# KiCad board BsidesKC-2022-Safe-Badge.kicad_pcb
title: BSidesKC2022; date: 2022-08-16; rev: 0-c; company: BadgePirates; note: Art: networkgeek; note: Schematic: FG
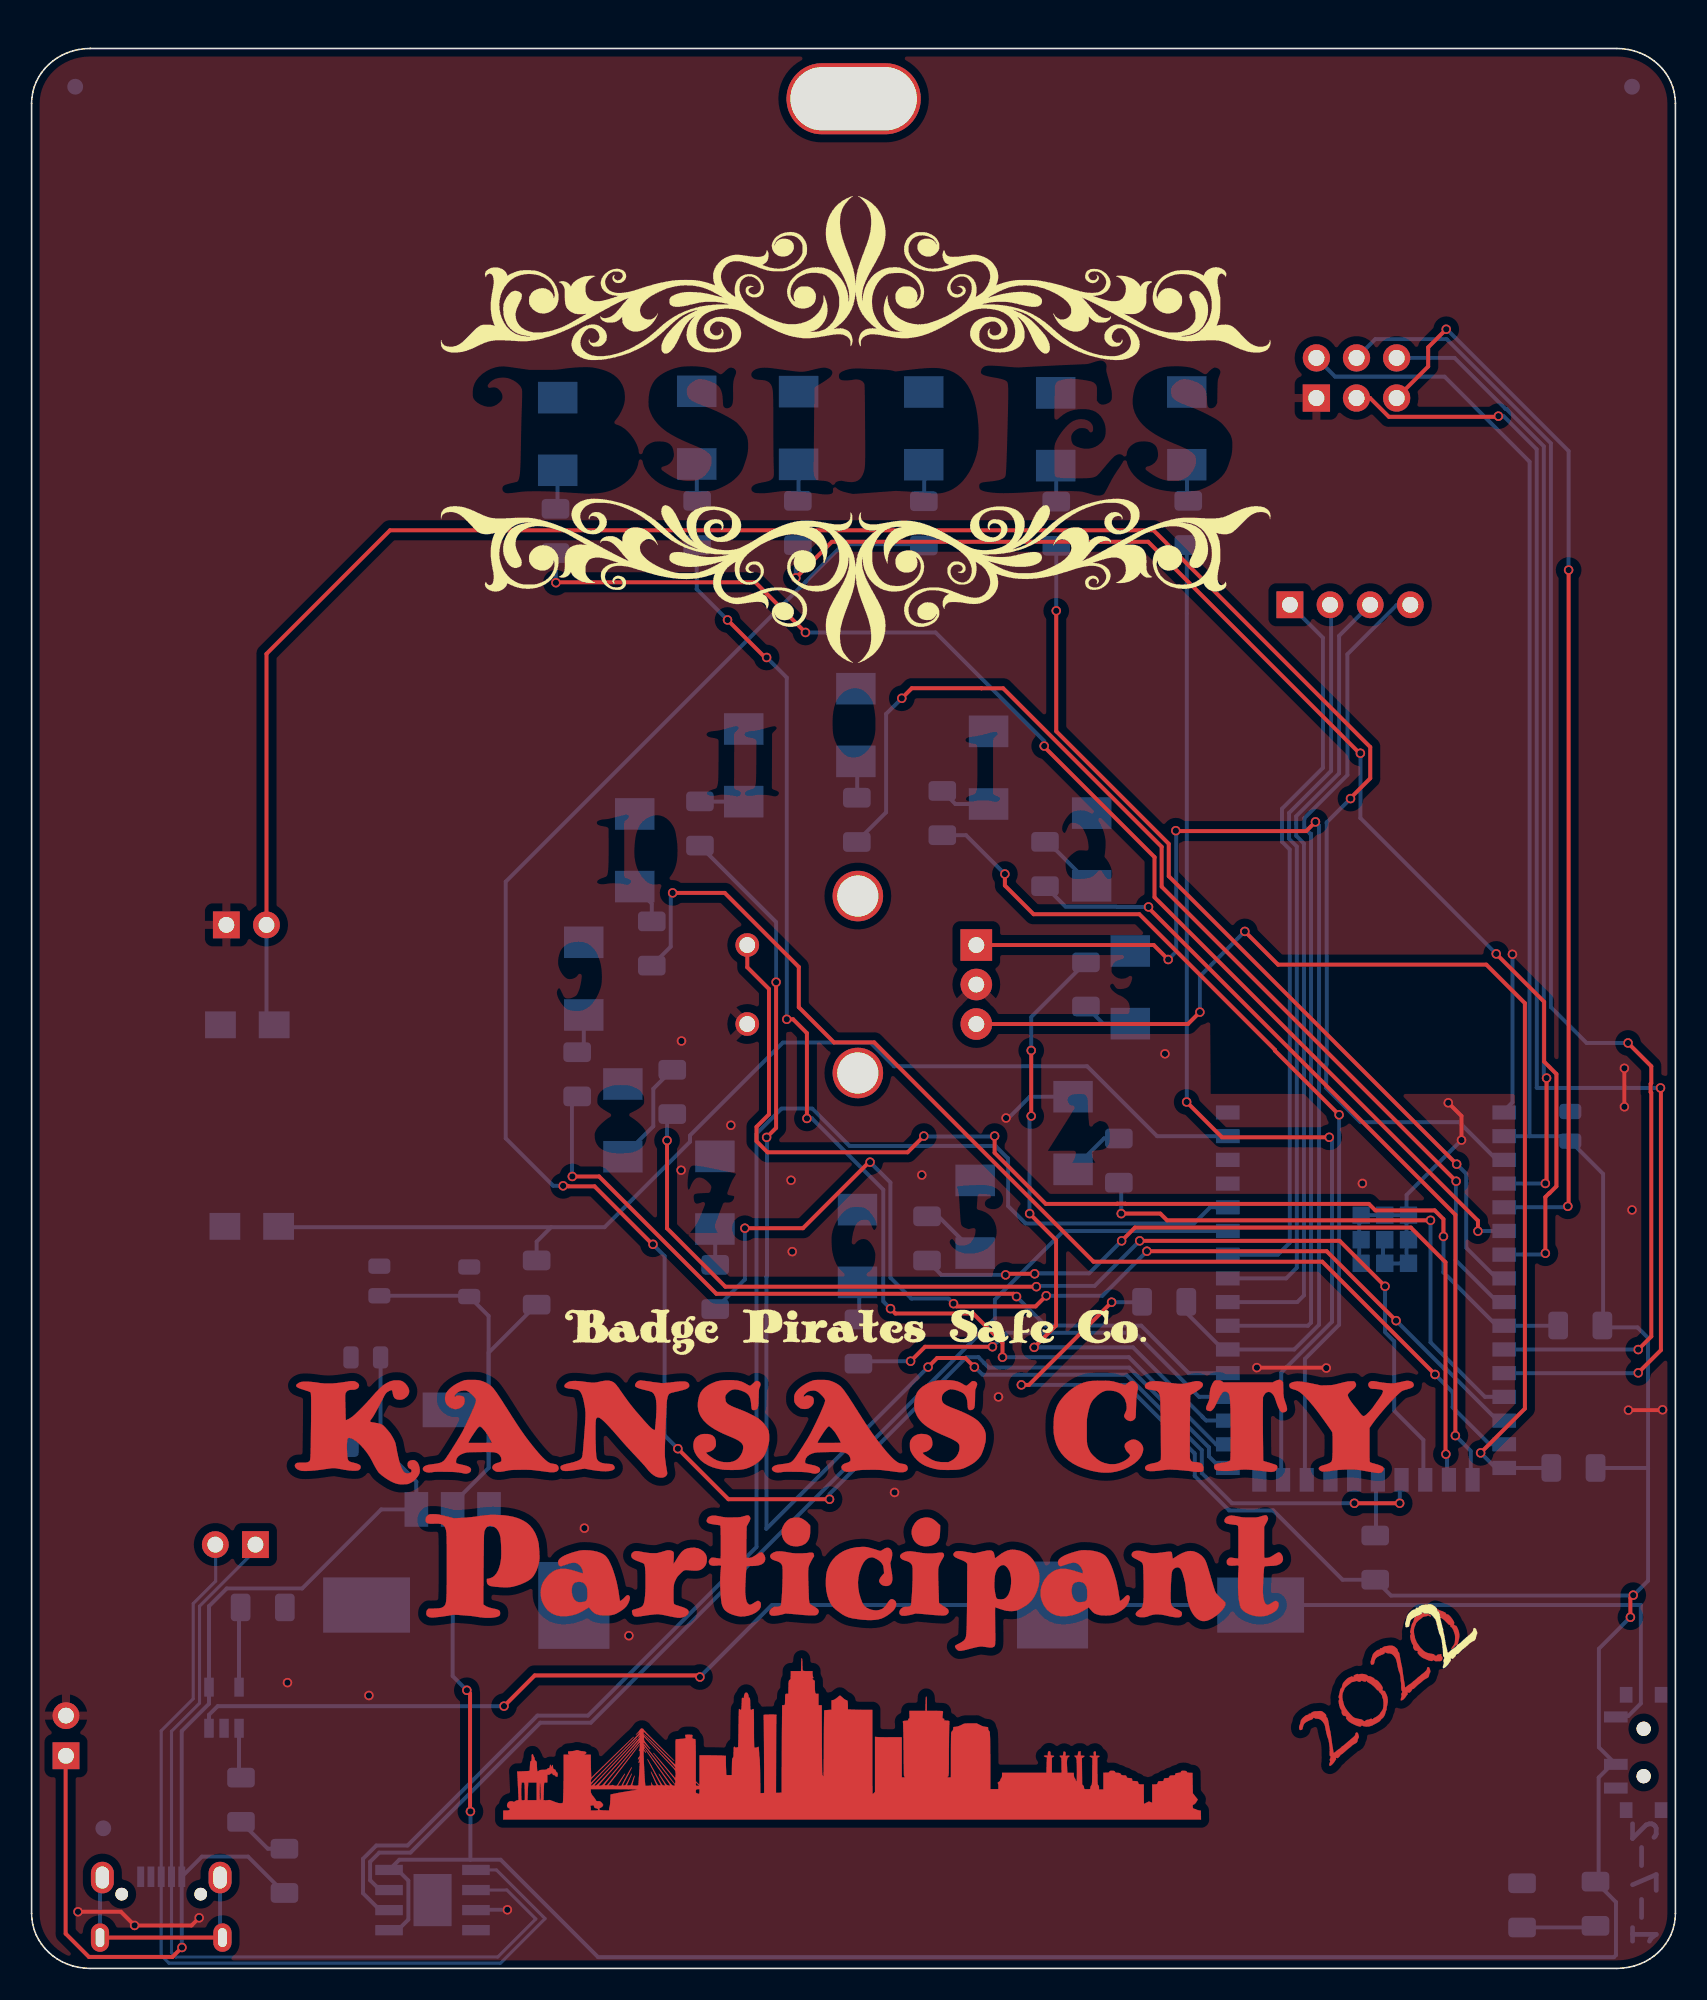
[diagram p0: board, top side]
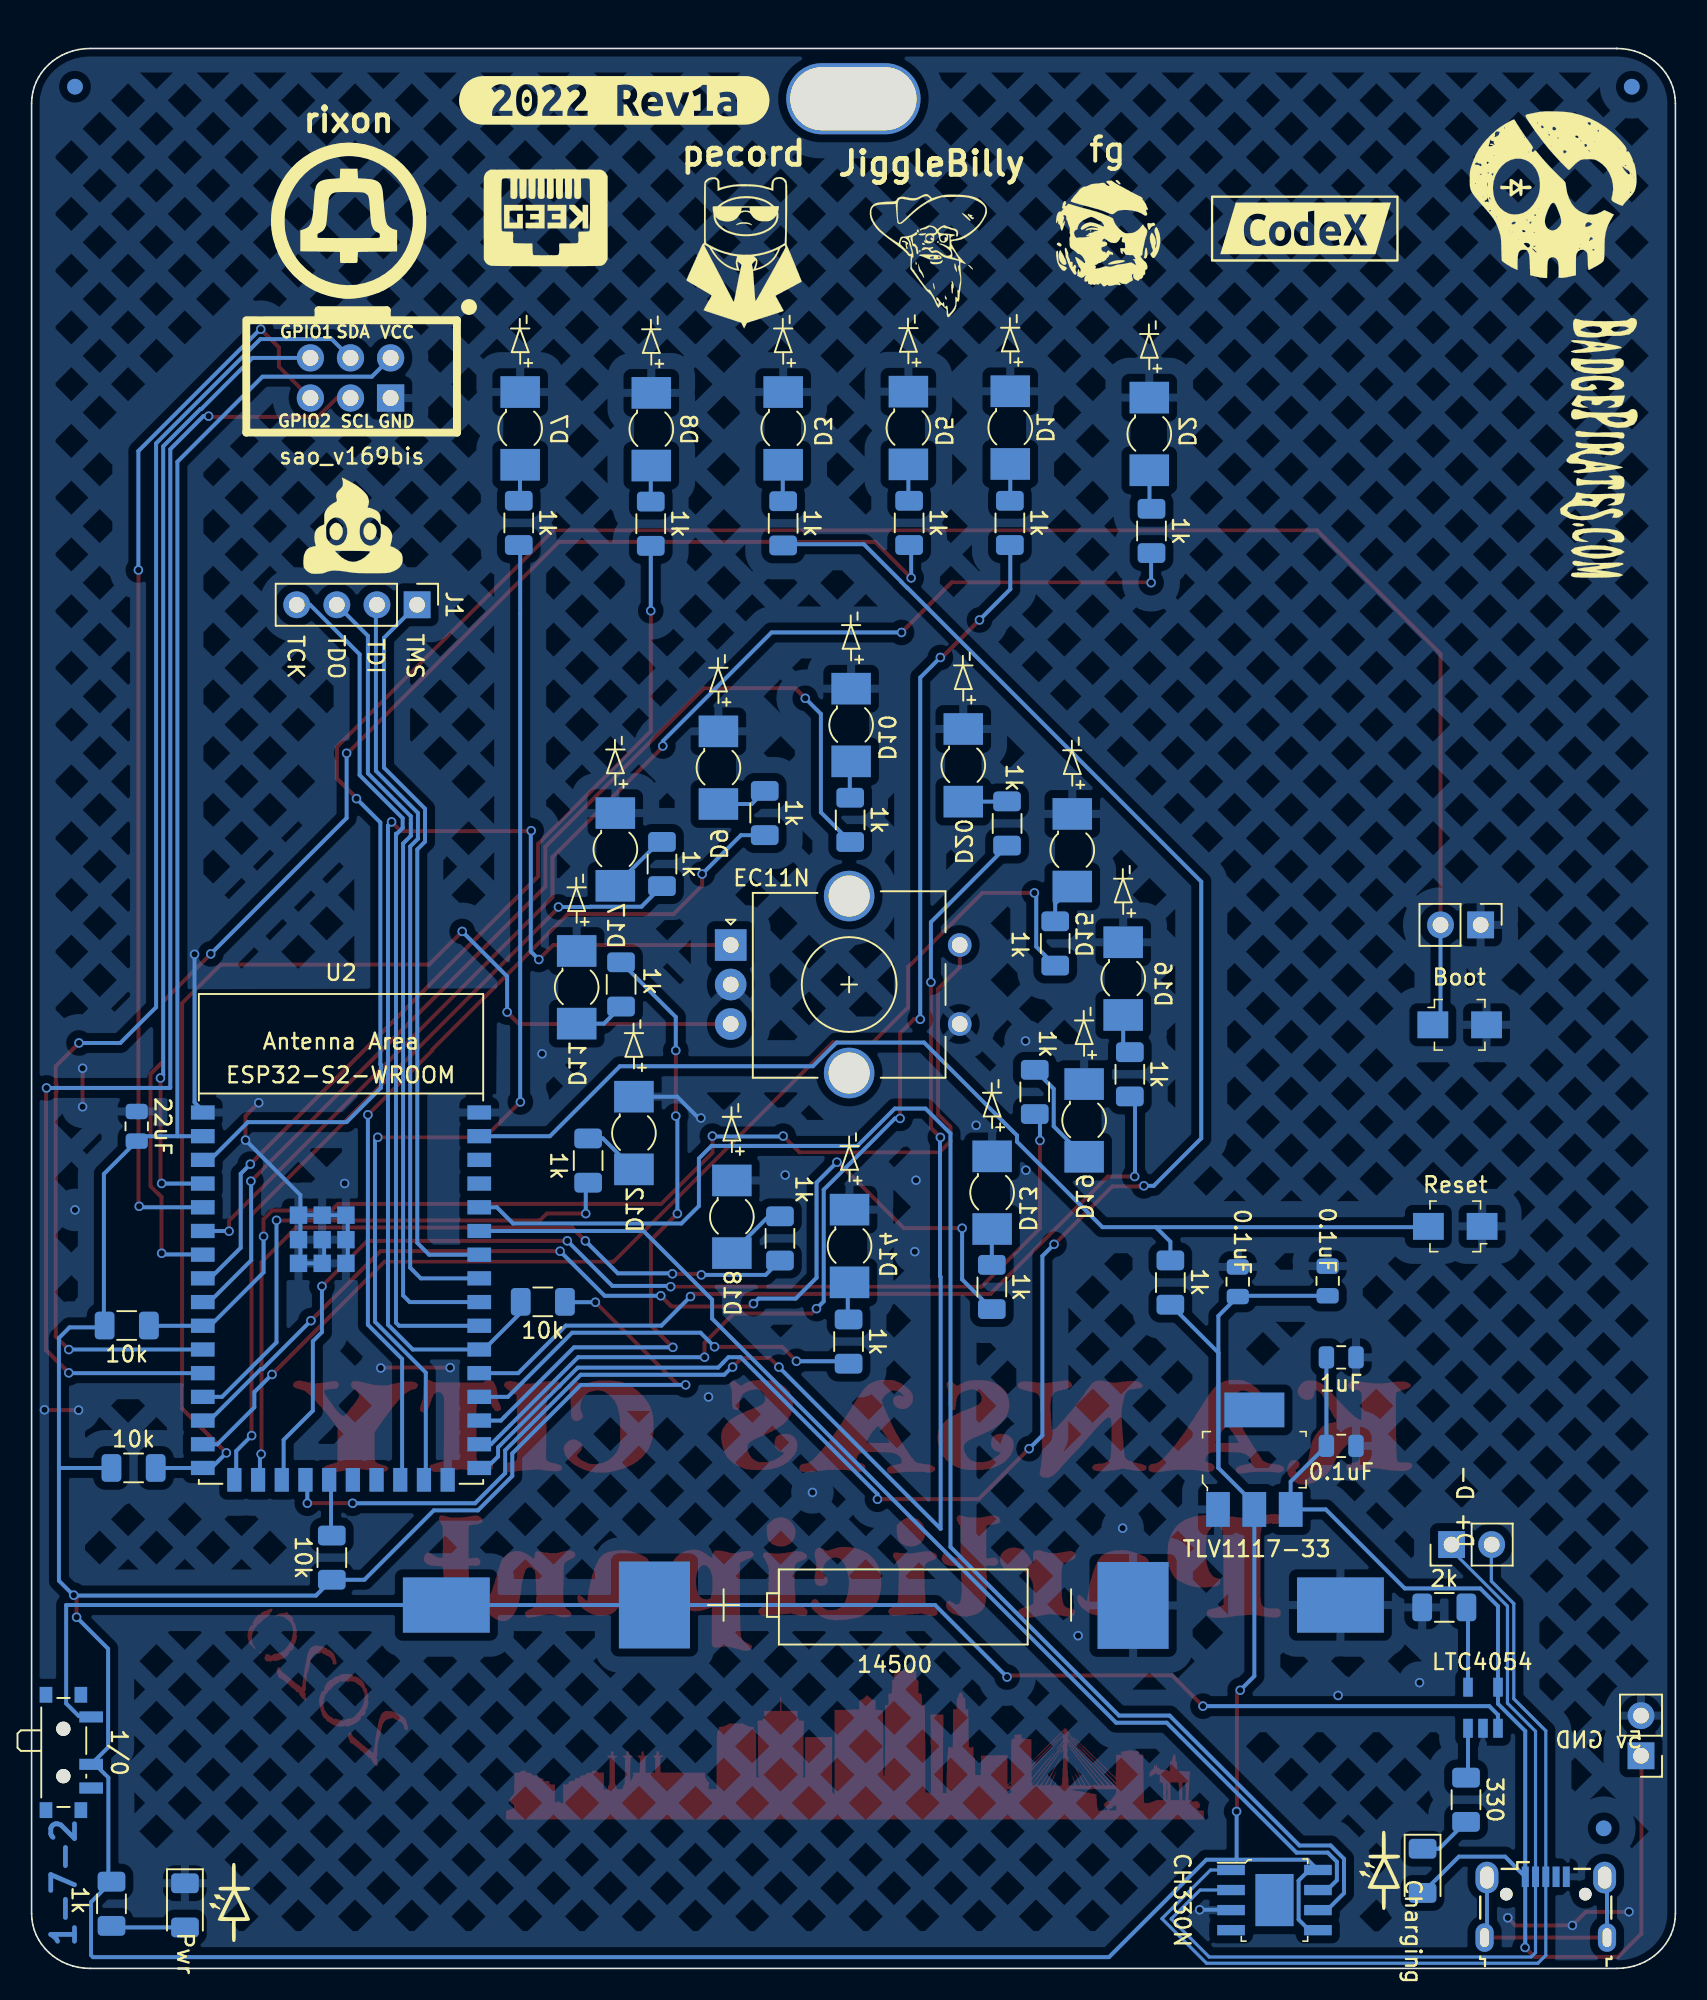
[diagram p1: board, bottom side, seen from below]

Outline 104.06 x 121.52 mm; copper layers: Top, Bottom. Coordinates in mm from the lower left corner of the outline.
Outline path: 0,118.05 0.02,118.4 0.07,118.75 0.17,119.08 0.29,119.4 0.45,119.71 0.63,119.99 0.84,120.26 1.08,120.51 1.35,120.73 1.63,120.93 1.94,121.1 2.26,121.25 2.6,121.37 2.96,121.45 3.32,121.51 3.7,121.52 100.36,121.52 100.74,121.51 101.1,121.45 101.46,121.37 101.8,121.25 102.12,121.1 102.43,120.93 102.71,120.73 102.98,120.51 103.22,120.26 103.43,119.99 103.61,119.71 103.77,119.4 103.89,119.08 103.99,118.75 104.04,118.4 104.06,118.05 104.06,3.48 104.04,3.12 103.99,2.77 103.89,2.44 103.77,2.12 103.61,1.82 103.43,1.53 103.22,1.26 102.98,1.02 102.71,0.79 102.43,0.59 102.12,0.42 101.8,0.27 101.46,0.16 101.1,0.07 100.74,0.02 100.36,0 3.7,0 3.32,0.02 2.96,0.07 2.6,0.16 2.26,0.27 1.94,0.42 1.63,0.59 1.35,0.79 1.08,1.02 0.84,1.26 0.63,1.53 0.45,1.82 0.29,2.12 0.17,2.44 0.07,2.77 0.02,3.12 0,3.48 0,118.05

## Placement (name value [footprint] x y rotation side)
1/0  SW_SPDT  [SW_SPDT_PCM12]  101.72 13.67 270 bottom
14500  Battery  [AA]  49.51 20 180 bottom
C1  1uF  [C_0805_2012Metric]  21.16 38.67 180 bottom
C2  22uF  [C_0805_2012Metric]  97.41 53.3 90 bottom
C3  0.1uF  [C_0805_2012Metric]  27.7 43.46 90 bottom
C4  0.1uF  [C_0805_2012Metric]  22.01 43.51 90 bottom
C5  0.1uF  [C_0805_2012Metric]  21.16 33.07 180 bottom
D1  LED  [LED_Osram_Lx_P47F_D2mm_ReverseMount_Proper_Mask Only]  42.11 97.52 90 top
D2  LED  [LED_Osram_Lx_P47F_D2mm_ReverseMount_Proper_Mask Only]  33.31 97.12 90 top
D3  LED  [LED_Osram_Lx_P47F_D2mm_ReverseMount_Proper_Mask Only]  56.48 97.47 90 top
D4  Charging  [LED_1206_3216Metric]  16.01 6.17 270 bottom
D5  LED  [LED_Osram_Lx_P47F_D2mm_ReverseMount_Proper_Mask Only]  48.56 97.5 90 top
D6  Pwr  [LED_1206_3216Metric]  94.35 3.99 270 bottom
D7  LED  [LED_Osram_Lx_P47F_D2mm_ReverseMount_Proper_Mask Only]  73.13 97.47 90 top
D8  LED  [LED_Osram_Lx_P47F_D2mm_ReverseMount_Proper_Mask Only]  64.83 97.42 90 top
D9  LED  [LED_Osram_Lx_P47F_D2mm_ReverseMount_Proper_Mask Only]  60.58 76 90 top
D10  LED  [LED_Osram_Lx_P47F_D2mm_ReverseMount_Proper_Mask Only]  52.18 78.7 90 top
D11  LED  [LED_Osram_Lx_P47F_D2mm_ReverseMount_Proper_Mask Only]  69.56 62.1 90 top
D12  LED  [LED_Osram_Lx_P47F_D2mm_ReverseMount_Proper_Mask Only]  65.93 52.87 90 top
D13  LED  [LED_Osram_Lx_P47F_D2mm_ReverseMount_Proper_Mask Only]  43.26 49.1 90 top
D14  LED  [LED_Osram_Lx_P47F_D2mm_ReverseMount_Proper_Mask Only]  52.28 45.72 90 top
D15  LED  [LED_Osram_Lx_P47F_D2mm_ReverseMount_Proper_Mask Only]  38.18 70.77 90 top
D16  LED  [LED_Osram_Lx_P47F_D2mm_ReverseMount_Proper_Mask Only]  34.96 62.65 90 top
D17  LED  [LED_Osram_Lx_P47F_D2mm_ReverseMount_Proper_Mask Only]  67.11 70.82 90 top
D18  LED  [LED_Osram_Lx_P47F_D2mm_ReverseMount_Proper_Mask Only]  59.73 47.57 90 top
D19  LED  [LED_Osram_Lx_P47F_D2mm_ReverseMount_Proper_Mask Only]  37.43 53.67 90 top
D20  LED  [LED_Osram_Lx_P47F_D2mm_ReverseMount_Proper_Mask Only]  45.08 76.15 90 top
e  -  [LOGO]  51.85 65.07 0 top
EC11N  RotaryEncoder_Switch  [RotaryEncoder_Alps_EC11E_Vertical_H20mm_CircularMountingHoles]  59.81 64.77 180 bottom
G***  LOGO  [LED_Schematic_B.SLK]  18.76 6.17 270 top
G***#2  -  [LOGO]  -1.04 122.07 0 top
G***#3  fg  [FG_B.SILK]  35.96 110.04 0 top
G***#4  pecord  [pecord_B.SLK]  58.97 108.59 0 top
G***#5  NG_BSilk  [NG_B.SLK]  71.42 111.03 0 top
G***#6  JiggleBilly  [Jiggle_B.SLK]  47.19 109.13 0 top
G***#7  -  [LOGO]  -1.04 122.07 0 top
G***#8  -  [LOGO]  -1.04 122.07 0 top
G***#9  rixon  [rixon_B.SLK]  83.99 110.64 0 top
G***#10  LOGO  [LED_Schematic_B.SLK]  91.56 4.14 270 top
G***#11  BP Logo  [BPSkull_Distressed_B.SILK]  7.77 112.27 0 top
G***#12  LOGO  [F.Mask_Part]  51.91 65.05 0 top
G***#13  LOGO  [BadgePiratesURL_B.SLK]  5.56 96.24 90 top
G***#14  LOGO  [F.Cu_Part]  51.88 65.05 0 top
G***#15  LOGO  [shi%%y_B.SLK]  83.64 91.47 0 top
G***#16  LOGO  [F.SilkS_g1719]  51.97 65.08 0 top
J1  JTAG  [PinHeader_1x04_P2.54mm_Vertical]  79.66 86.31 270 bottom
J2  Boot Jumper  [PinHeader_1x02_P2.54mm_Vertical]  12.33 66.05 270 bottom
J3  D+ D-  [PinHeader_1x02_P2.54mm_Vertical]  14.17 26.82 90 bottom
J4  USB_B_Mini  [USB_Micro-B_Wuerth]  8.21 3.9 180 bottom
J5  5v GND  [PinHeader_1x02_P2.54mm_Vertical]  2.18 13.46 0 bottom
kibuzzard-62C240C4  G***  [kibuzzard-62C240C4]  23.41 110.14 180 bottom
kibuzzard-630FD867  G***  [kibuzzard-630FD867]  67.18 118.24 180 bottom
R1  1k  [R_1206_3216Metric]  42.13 91.49 90 bottom
R2  1k  [R_1206_3216Metric]  33.17 90.99 90 bottom
R3  2k  [R_1206_3216Metric]  14.63 22.85 0 bottom
R4  1k  [R_1206_3216Metric]  56.48 91.47 90 bottom
R5  330  [R_1206_3216Metric]  13.26 10.67 90 bottom
R6  1k  [R_1206_3216Metric]  99 4.09 270 bottom
R7  1k  [R_1206_3216Metric]  48.51 91.49 90 bottom
R8  1k  [R_1206_3216Metric]  73.22 91.49 90 bottom
R9  1k  [R_1206_3216Metric]  64.86 91.44 90 bottom
R10  1k  [R_1206_3216Metric]  57.65 73.13 90 bottom
R11  1k  [R_1206_3216Metric]  52.24 72.7 90 bottom
R12  1k  [R_1206_3216Metric]  66.74 62.28 270 bottom
R13  1k  [R_1206_3216Metric]  68.83 51.13 90 bottom
R14  1k  [R_1206_3216Metric]  43.27 43.13 90 bottom
R15  1k  [R_1206_3216Metric]  52.34 39.68 90 bottom
R16  10k  [R_1206_3216Metric]  71.7 42.19 180 bottom
R17  10k  [R_1206_3216Metric]  97.6 31.68 0 bottom
R18  1k  [R_1206_3216Metric]  39.26 64.87 90 bottom
R19  1k  [R_1206_3216Metric]  34.54 56.59 90 bottom
R20  1k  [R_1206_3216Metric]  64.15 69.9 90 bottom
R21  10k  [R_1206_3216Metric]  98.04 40.69 180 bottom
R22  1k  [R_1206_3216Metric]  56.69 46.2 90 bottom
R23  1k  [R_1206_3216Metric]  40.56 55.48 90 bottom
R24  1k  [R_1206_3216Metric]  42.31 72.47 90 bottom
R25  10k  [R_1206_3216Metric]  85.06 26 270 bottom
R26  1k  [R_1206_3216Metric]  31.97 43.41 90 bottom
REF**  8x4 SLOT  [Slot_6x4mm]  52.04 118.34 0 top
REF**#2  -  [Fiducial_1mm_Mask2mm]  2.76 119.1 180 bottom
REF**#3  -  [Fiducial_1mm_Mask2mm]  101.31 119.1 180 bottom
REF**#4  -  [Fiducial_1mm_Mask2mm]  4.54 8.87 180 bottom
SW2  Boot  [Switch_Tactile_SMD_B3U-1000P-BPVersion]  13.66 59.72 180 bottom
SW_Reset1  Reset  [Switch_Tactile_SMD_B3U-1000P-BPVersion]  13.94 46.97 0 bottom
U1  -  [LTC4054]  12.18 16.5 180 bottom
U2  -  [ESP32-S2-WROOM]  84.47 43.03 180 bottom
U3  CH330N  [SOIC-8-1EP_W3.9mm]  25.38 4.32 270 bottom
U4  TLV1117-33  [SOT-223]  26.66 32.2 180 bottom
X1  sao_v169bis  [Badgelife-SAOv169-SAO_Side_B.SLK]  83.48 100.59 0 top

## Footprints (pads in the part's own frame, mm; a bottom-side part is the same pattern mirrored in y, then rotated)
AA
  rect 5.5x3.5 smd: 1(-28.3,3) 2(28.3,3)
  rect 4.5x5.5 smd: 1(-15.125,3) 2(15.175,2.975)
Badgelife-SAOv169-SAO_Side_B.SLK
  oval 1.727x1.727 hole 1.016: 1(-2.15,1.352) 3(0.39,1.352) 4(0.39,-1.188)
  rect 1.727x1.727 hole 1.016: 2(-2.15,-1.188)
  round 1.727 hole 1.016: 5(2.93,1.352) 6(2.93,-1.188)
C_0805_2012Metric
  rrect 0.975x1.4 smd: 1(-0.938,0) 2(0.938,0)
ESP32-S2-WROOM
  rect 1.5x0.9 smd: 1(-8.75,11.15) 2(-8.75,9.65) 3(-8.75,8.15) 4(-8.75,6.65) 5(-8.75,5.15) 6(-8.75,3.65) 7(-8.75,2.15) 8(-8.75,0.65) 9(-8.75,-0.85) 10(-8.75,-2.35) 11(-8.75,-3.85) 12(-8.75,-5.35) 13(-8.75,-6.85) 14(-8.75,-8.35) 15(-8.75,-9.85) 16(-8.75,-11.35) 27(8.75,-11.35) 28(8.75,-9.85) 29(8.75,-8.35) 30(8.75,-6.85) 31(8.75,-5.35) 32(8.75,-3.85) 33(8.75,-2.35) 34(8.75,-0.85) 35(8.75,0.65) 36(8.75,2.15) 37(8.75,3.65) 38(8.75,5.15) 39(8.75,6.65) 40(8.75,8.15) 41(8.75,9.65) 42(8.75,11.15)
  rect 0.9x1.5 smd: 17(-6.75,-12.1) 18(-5.25,-12.1) 19(-3.75,-12.1) 20(-2.25,-12.1) 21(-0.75,-12.1) 22(0.75,-12.1) 23(2.25,-12.1) 24(3.75,-12.1) 25(5.25,-12.1) 26(6.75,-12.1)
  rect 1.1x1.1 smd: 43(-2.69,1.6) 43(-2.69,3.1) 43(-2.69,4.65) 43(-1.19,1.6) 43(-1.19,3.1) 43(-1.19,4.65) 43(0.31,1.6) 43(0.31,3.1) 43(0.31,4.65)
Fiducial_1mm_Mask2mm
  round 1 smd: (0,0)
LED_1206_3216Metric
  rrect 1.25x1.75 smd: 1(-1.4,0) 2(1.4,0)
LED_Osram_Lx_P47F_D2mm_ReverseMount_Proper_Mask Only
  rect 1.956x2.464 smd: (-2.286,0)
  rect 1.93x2.438 smd: (2.286,0)
  rect 2x2.5 smd far side: 1(2.3,0) 2(-2.3,0)
LTC4054
  rect 0.6x1.2 smd: 1(-0.95,-1.3) 2(0,-1.3) 3(0.95,-1.3) 4(0.95,1.3) 5(-0.95,1.3)
PinHeader_1x02_P2.54mm_Vertical
  rect 1.7x1.7 hole 1: 1(0,0)
  oval 1.7x1.7 hole 1: 2(0,-2.54)
PinHeader_1x04_P2.54mm_Vertical
  rect 1.7x1.7 hole 1: 1(0,0)
  oval 1.7x1.7 hole 1: 2(0,-2.54) 3(0,-5.08) 4(0,-7.62)
R_1206_3216Metric
  rrect 1.25x1.75 smd: 1(-1.4,0) 2(1.4,0)
RotaryEncoder_Alps_EC11E_Vertical_H20mm_CircularMountingHoles
  rect 2x2 hole 1: A(0,0)
  round 2 hole 1: B(0,-5) C(0,-2.5)
  round 3.2 hole 2.6: MP(7.5,-8.1) MP(7.5,3.1)
  round 1.5 hole 1: S1(14.5,0) S2(14.5,-5)
Slot_6x4mm
  oval 8.5x4.5 hole 8x4: (0,0)
SOIC-8-1EP_W3.9mm
  rect 0.65x1.75 smd: 1(-1.905,-2.75) 2(-0.635,-2.75) 3(0.635,-2.75) 4(1.905,-2.75) 5(1.905,2.75) 6(0.635,2.75) 7(-0.635,2.75) 8(-1.905,2.75)
  rect 3.3x2.41 smd: 9(0,0)
SOT-223
  rect 1.5x2.2 smd: 1(-2.3,-3.15) 2(0,-3.15) 3(2.3,-3.15)
  rect 3.8x2.2 smd: 4(0,3.15)
SW_SPDT_PCM12
  rect 1x0.8 smd: (-3.65,-1.43) (-3.65,0.78) (3.65,-1.43) (3.65,0.78)
  round 0.9 hole 0.9 unplated: (-1.5,-0.33) (1.5,-0.33)
  rect 0.7x1.5 smd: 1(-2.25,1.43) 2(0.75,1.43) 3(2.25,1.43)
Switch_Tactile_SMD_B3U-1000P-BPVersion
  rect 1.948x1.7 smd: 1(-1.7,0) 2(1.7,0)
USB_Micro-B_Wuerth
  oval 0.8x0.8 hole 0.8 unplated: (-2.5,0.8) (2.5,0.8)
  rect 0.44x1.3 smd: 1(-1.3,1.9) 2(-0.65,1.9) 3(0,1.9) 4(0.65,1.9) 5(1.3,1.9)
  oval 1.15x1.8 hole 0.55x1.2: 6(-3.875,-1.95) 6(3.875,-1.95)
  oval 1.45x2 hole 0.85x1.4: 6(-3.725,1.85) 6(3.725,1.85)

## Nets
GND: 14500.2 C1.2 C2.2 C3.2 C4.2 C5.2 D1.1 D2.1 D3.1 D5.1 D6.1 D7.1 D8.1 D9.1 D10.1 D11.1 D12.1 D13.1 D14.1 D15.1 D16.1 D17.1 D18.1 D19.1 D20.1 EC11N.C EC11N.S2 J2.1 J4.5 J5.2 R3.2 SW2.2 SW_Reset1.1 U1.2 U2.1 U2.26 U2.42 U2.43 U3.3 U4.1 X1.2
VBUS: C1.1 C5.1 D4.2 J4.1 J5.1 U1.4 U4.3
VCC: 1/0.2 C2.1 C3.1 C4.1 R6.1 R16.2 R17.2 R21.1 R25.2 R26.1 U2.2 U3.5 U3.8 U4.2 X1.1
Boot: J2.2 SW2.1 U2.3
D+: J3.2 J4.3 U3.1
D-: J3.1 J4.2 U3.2
IO01: U2.4 X1.5
IO02: U2.5 X1.6
IO03: R2.1 U2.6
IO04: R7.1 U2.7
IO05: R9.1 U2.8
IO06: R11.1 U2.9
IO07: EC11N.S1 R21.2 U2.10
IO08: U2.11 X1.3
IO09: U2.12 X1.4
IO10: R13.1 U2.13
IO11: R14.1 U2.14
IO12: R18.1 U2.15
IO13: EC11N.B R17.1 U2.16
IO14: R20.1 U2.17
IO15: R22.1 U2.18
IO16: R23.1 U2.19
IO17: R24.1 U2.20
IO21: R10.1 U2.24
IO26: R8.1 U2.25
IO33: R4.1 U2.27
IO34: R1.1 U2.28
IO35: R12.1 U2.29
IO36: R15.1 U2.30
IO37: R19.1 U2.31
IO38: EC11N.A R16.1 U2.32
IO39: J1.4 U2.33
IO40: J1.3 U2.34
IO41: J1.2 U2.35
IO42: J1.1 U2.36
RESET: R26.2 SW_Reset1.2 U2.41
USB_RX_ESP_TX: U2.37 U3.7
USB_TX_ESP_RX: U2.38 U3.6
Net-(BT1-Pad1): 1/0.1 14500.1 U1.3
Net-(D1-Pad2): D1.2 R1.2
Net-(D2-Pad2): D2.2 R2.2
Net-(D3-Pad2): D3.2 R4.2
Net-(D4-Pad1): D4.1 R5.1
Net-(D5-Pad2): D5.2 R7.2
Net-(D6-Pad2): D6.2 R6.2
Net-(D7-Pad2): D7.2 R8.2
Net-(D8-Pad2): D8.2 R9.2
Net-(D9-Pad2): D9.2 R10.2
Net-(D10-Pad2): D10.2 R11.2
Net-(D11-Pad2): D11.2 R12.2
Net-(D12-Pad2): D12.2 R13.2
Net-(D13-Pad2): D13.2 R14.2
Net-(D14-Pad2): D14.2 R15.2
Net-(D15-Pad2): D15.2 R18.2
Net-(D16-Pad2): D16.2 R19.2
Net-(D17-Pad2): D17.2 R20.2
Net-(D18-Pad2): D18.2 R22.2
Net-(D19-Pad2): D19.2 R23.2
Net-(D20-Pad2): D20.2 R24.2
Net-(R3-Pad1): R3.1 U1.5
Net-(R5-Pad2): R5.2 U1.1
Net-(R25-Pad1): R25.1 U2.21

Pads without a net: 1/0 3; EC11N MP; J4 4 6; U2 22 23 39 40; U3 4 9; U4 4

## Via types
v1: diameter 0.6, hole 0.4, Top to Bottom, 118 vias

## Routing (per net, layer and track width the routed paths; a pad name or vN(x,y) marks a point on that pad's centre or on a via; arc(x,y) is an arc through that point)
GND: length 55.3
  Top w0.25: v1(2.94,3.58) 5.66,3.58 v1(6.52,2.72) 10.13,2.72 v1(10.61,3.2) ; v1(100.83,54.54) v1(100.83,56.97) ; v1(101.08,35.33) 103.22,35.33 v1(103.24,35.36) ; v1(81.96,38) 81.93,38.03 v1(77.56,38.03) ; v1(90.52,52.43) 90.52,53.95 v1(89.68,54.79)
  Bottom w0.25: v1(61.69,53.82) 61.84,53.82 63.19,55.17 D12.1 ; 85.55,46.12 85.55,44.62 87.05,44.62 87.05,47.67 ; 87.05,47.67 87.05,48.95 v1(90.52,52.43) ; 87.05,47.67 84.05,47.67 84.05,44.62 ; 93.11,54.17 93.74,54.81 v1(93.74,64.19) ; U3.3 28.15,3.71 v1(30.12,3.71)
  vias: v1(16.2,18.09) v1(21.35,17.27) v1(34.99,27.87) v1(37.81,21.06) v1(41.14,58.7) v1(41.12,50.52) v1(44.26,53.37) v1(48.07,49.89) v1(48.15,45.37) v1(54.63,30.13) v1(56.36,50.22) v1(61.21,36.17) v1(71.75,57.89) v1(84.24,49.68) v1(101.31,48.01)
VBUS: length 75.8
  Top w0.25: 2.16,13.27 2.16,2.2 3.63,0.73 8.92,0.73 v1(9.52,1.32)
  Bottom w0.25: C1.1 C5.1 24.36,30.81 U4.3 22.13,29.05 17.13,24.05 12.35,24.05 11.23,22.93 11.23,16.75 9.51,15.02 J4.1 ; J4.1 10.78,7.07 13.71,7.07 D4.2 ; J4.1 9.51,1.34 v1(9.52,1.32)
VCC: length 320
  Top w0.25: v1(27.55,17.6) 27.76,17.4 27.76,9.96 v1(27.78,9.93) ; v1(68.37,42.17) 63.14,36.93 v1(62.65,36.93) ; v1(101.39,23.62) 101.21,23.45 v1(101.21,22.23)
  Bottom w0.25: 99.2,5.59 99.2,12.08 100.04,12.92 1/0.2 99.21,13.99 99.21,20.23 v1(101.21,22.23) ; R26.1 28.93,38.97 28.93,31.67 ; 102.33,31.65 102.33,24.54 101.39,23.6 86.06,23.6 R25.2 82.99,24.6 78.6,28.99 75.8,28.99 73.63,31.16 73.63,32.59 69.29,36.93 v1(62.65,36.93) ; 102.33,31.65 102.3,31.68 R17.2 ; 102.33,31.65 102.33,39.9 101.66,40.57 99.58,40.57 99.48,40.67 99.48,50.28 C2.1 97.09,52.67 94.83,52.67 ; C4.1 27.65,42.58 C3.1 28.93,41.3 28.93,31.67 ; 28.93,31.67 26.66,29.4 U4.2 26.66,18.5 v1(27.55,17.6) ; 93.11,52.67 94.83,52.67 ; 94.83,52.67 94.83,95.37 89.45,100.75 82.52,100.75 X1.1 ; 27.78,6.88 29.69,6.88 35.86,0.71 100.17,0.71 100.3,0.84 100.3,4.2 R6.1 ; 27.78,6.88 27.78,9.93 v1(27.78,9.93) ; 27.78,6.88 23.28,6.88 U3.8 23.18,6.23 23.85,5.56 23.85,3.09 23.18,2.42 U3.5 ; R16.2 70.27,42.17 v1(68.37,42.17)
Boot: length 138.2
  Top w0.25: v1(83.49,74.04) 83.49,74.08 84.74,75.33 84.74,77.31 71.02,91.03 22.69,91.03 14.87,83.21 J2.2
  Bottom w0.25: SW2.1 14.87,60.21 J2.2 ; v1(83.49,74.04) 81.98,72.53 81.98,57.23 81.95,57.2 81.95,55.73 84.12,53.57 90.37,53.57 92.76,51.17 93.11,51.17
D+: length 58.8
  Bottom w0.2: 11.65,26.89 11.65,24.51 10.23,23.09 10.23,17.07 8.21,15.04 J4.3 8.21,0.82 8.71,0.32 29.68,0.32 32.5,3.15 29.43,6.23 U3.1
D-: length 56.9
  Bottom w0.2: 14.11,26.97 14.11,26.4 10.63,22.93 10.63,16.79 8.86,15.01 J4.2 8.86,1 9.13,0.72 29.51,0.72 31.92,3.13 30.09,4.96 U3.2
IO01: length 61.1
  Top w0.25: v1(95.83,49.68) 95.9,49.76 v1(95.9,56.35)
  Bottom w0.25: X1.5 90.08,101.94 93.32,98.7 93.37,98.7 95.73,96.34 95.73,56.53 v1(95.9,56.35) ; v1(95.83,49.68) 95.82,49.67 93.11,49.67
IO02: length 68.6
  Top w0.25: X1.6 88.41,101.4 88.41,102.61 v1(89.55,103.75) ; v1(97.25,48.24) 97.3,48.29 v1(97.3,88.51)
  Bottom w0.25: v1(97.3,88.51) 97.3,96.04 89.59,103.75 v1(89.55,103.75) ; v1(97.25,48.24) 97.19,48.17 93.11,48.17
IO03: length 80.9
  Top w0.25: v1(91.56,46.66) 91.56,47.32 71.09,67.79 71.09,70.33 64.1,77.32 v1(64.1,77.37) ; v1(48.99,84.56) 45.81,87.73 33.22,87.73 v1(33.19,87.71)
  Bottom w0.25: v1(91.56,46.66) 91.57,46.67 93.11,46.67 ; v1(48.99,84.56) 57.22,84.56 64.1,77.68 v1(64.1,77.37) ; v1(33.19,87.71) 33.19,89.56
IO04: length 84
  Top w0.25: v1(92.72,64.21) 95.75,61.18 95.75,57.39 96.53,56.61 96.53,49.5 96.09,49.06 96.07,49.06 95.83,48.82 v1(95.83,45.27) ; v1(48.38,88.01) 50.67,90.3 70.68,90.3 84.07,76.91 v1(84.12,76.91)
  Bottom w0.25: v1(84.12,76.91) 84.12,72.81 v1(92.72,64.21) ; v1(95.83,45.27) 95.75,45.19 93.12,45.19 ; v1(48.38,88.01) 48.38,89.99
IO05: length 58.3
  Top w0.25: v1(64.86,85.93) 64.86,78.3 71.99,71.18 71.99,69.13 v1(90.21,50.9)
  Bottom w0.25: v1(64.86,85.93) 64.86,90.09 ; 93.11,43.67 92.76,43.67 90.82,45.61 90.82,50.29 v1(90.21,50.9)
IO06: length 69
  Top w0.25: v1(55.09,80.39) 55.72,81.03 60.13,81.03 60.13,81.02 61.51,81.02 71.54,70.99 71.54,68.47 v1(90.18,49.82)
  Bottom w0.25: v1(90.18,49.82) 90.16,49.81 90.16,44.82 92.81,42.17 93.11,42.17 ; v1(55.09,80.39) 54.09,79.4 54.09,73.18 52.27,71.35
IO07: length 72.4
  Top w0.25: EC11N.S1 45.31,63.37 46.68,61.99 46.68,54.05 45.89,53.27 45.89,52.36 46.59,51.66 55.46,51.66 v1(56.48,52.68) ; v1(89.38,46.33) 89.38,47.42 88.82,47.98 85.07,47.98 84.66,48.39 69.25,48.39 69.24,48.4 68.72,48.4 68.71,48.39 64.2,48.39 60.96,51.63 v1(60.96,52.68)
  Bottom w0.25: v1(89.38,46.33) 89.38,44.05 92.76,40.67 96.68,40.67 ; v1(56.48,52.68) 56.51,52.66 60.94,52.66 v1(60.96,52.68)
IO08: length 86
  Top w0.25: v1(101.7,39.17) 102.53,40 102.53,55.43 102.49,55.47 102.49,55.99 102.53,56.03 102.53,57.1 v1(101.06,58.57)
  Bottom w0.25: X1.3 85.06,103.13 89.58,103.13 96.18,96.53 96.18,60.84 98.44,58.57 v1(101.06,58.57) ; 93.11,39.17 101.7,39.17 v1(101.7,39.17)
IO09: length 88.3
  Top w0.25: v1(101.7,37.7) 103.14,39.13 103.14,55.7 v1(103.12,55.73) ; X1.4 84.73,99.4 85.92,98.21 92.82,98.21 v1(92.86,98.25)
  Bottom w0.25: v1(103.12,55.73) 95.29,55.73 95.28,55.74 95.28,96.16 93.19,98.25 v1(92.86,98.25) ; 93.11,37.67 101.68,37.67 v1(101.7,37.7)
IO10: length 35.5
  Top w0.25: v1(88.56,47.35) 71.88,47.35 71.46,47.77 v1(68.98,47.77)
  Bottom w0.25: v1(68.98,47.77) 68.98,49.58 R13.1 ; 93.11,36.17 92.01,36.17 88.56,39.62 v1(88.56,47.35)
IO11: length 68.8
  Top w0.25: v1(45.15,46.85) 48.83,46.85 53.01,51.03 v1(53.08,51.03) ; v1(64.23,42.58) 63.55,41.9 58.54,41.9 v1(58.36,42.08) ; v1(86.38,41) 81.98,45.39 v1(70.6,45.39)
  Bottom w0.25: 93.11,34.67 92.81,34.67 89.54,37.94 89.44,37.94 v1(86.38,41) ; v1(45.15,46.85) 45.15,43.61 R14.1 ; v1(58.36,42.08) 58.04,42.39 55.69,42.39 54.37,43.72 54.37,49.74 v1(53.08,51.03) ; v1(70.6,45.39) 67.79,42.58 v1(64.23,42.58)
IO12: length 74.3
  Top w0.25: v1(88.84,37.59) 81.7,44.73 67.22,44.73 53.34,58.61 50.79,58.61 48.57,60.84 48.57,63.39 43.88,68.07 v1(40.58,68.07)
  Bottom w0.25: 40.46,68.19 40.46,64.67 R18.1 ; 93.11,33.17 92.3,33.17 89.96,35.51 89.96,36.48 v1(88.84,37.59)
IO13: length 74.7
  Top w0.25: EC11N.B 73.2,59.77 v1(73.96,60.53) ; v1(76.8,65.64) 78.9,63.53 92.09,63.53 94.53,61.1 94.53,35.43 v1(91.73,32.63)
  Bottom w0.25: U2.16 96.2,31.68 R17.1 ; 93.11,31.67 92.69,31.67 v1(91.73,32.63) ; v1(76.8,65.64) 73.96,62.79 v1(73.96,60.53)
IO14: length 51.8
  Top w0.25: v1(70.71,67.19) 70.71,67.13 90.13,47.7 v1(90.13,33.72)
  Bottom w0.25: v1(90.13,33.72) 91.11,32.75 91.11,30.92 ; v1(70.71,67.19) 68.69,67.19 68.68,67.2 65.46,67.2 R20.1
IO15: length 49.2
  Top w0.25: v1(61.66,43.9) 61.73,43.97 v1(63.5,43.97) ; v1(69,46.05) 69.84,46.89 87.31,46.89 89.51,44.7 89.51,32.57 v1(89.53,32.55)
  Bottom w0.25: v1(63.5,43.97) 63.53,44 66.95,44 v1(69,46.05) ; v1(89.53,32.55) 89.61,32.47 89.61,30.92 ; v1(61.66,43.9) 57.59,43.9 R22.1
IO16: length 70
  Top w0.25: v1(70.15,46.05) 82.8,46.05 v1(85.68,43.17) ; v1(40.23,52.4) 40.23,46.84 43.92,43.15 v1(63.61,43.15)
  Bottom w0.25: v1(70.15,46.05) 67.3,43.2 63.66,43.2 v1(63.61,43.15) ; v1(85.68,43.17) 85.68,40.27 86.26,39.7 86.26,35.3 88.11,33.45 88.11,30.92 ; R23.1 40.23,53.75 v1(40.23,52.4)
IO17: length 96.3
  Top w0.25: v1(86.61,29.44) v1(83.74,29.44) ; v1(47.13,62.42) 47.13,53.2 v1(46.53,52.6) ; v1(56.75,38.06) 57.32,38.64 59.11,38.64 v1(59.68,38.06)
  Bottom w0.25: 86.61,30.92 v1(86.61,29.44) ; v1(56.75,38.06) 46.52,27.83 46.52,43.77 46.56,43.81 46.56,52.57 v1(46.53,52.6) ; v1(47.13,62.42) 47.13,66.22 42.31,71.05 R24.1 ; v1(59.68,38.06) 59.68,38.1 60.21,37.58 69.3,37.58 74.08,32.8 74.08,31.35 75.99,29.44 v1(83.74,29.44)
IO21: length 56.9
  Top w0.25: v1(82.77,54.03) 78.71,58.09 78.71,58.14 70.13,66.72 63.43,66.72 61.61,68.54 v1(61.61,69.27)
  Bottom w0.25: R10.1 59.15,71.73 v1(61.61,69.27) ; 80.61,30.92 80.61,38.58 82.77,40.74 v1(82.77,54.03)
IO26: length 68.3
  Top w0.25: v1(73.12,54.84) 75.35,52.61 v1(82.15,52.61)
  Bottom w0.25: 79.11,30.92 79.11,37.71 82.32,40.93 82.32,52.43 v1(82.15,52.61) ; 73.14,90.12 73.13,90.1 73.13,54.85 v1(73.12,54.84)
IO33: length 120.5
  Top w0.25: v1(50.51,29.69) 44.11,29.69 v1(40.91,32.9) ; v1(33.65,49.53) 33.94,49.53 33.97,49.5 35.64,49.5 39.3,45.83 v1(39.34,45.83)
  Bottom w0.25: 56.51,90.14 51.37,90.14 49,87.77 49,87.75 48.64,87.39 48.62,87.39 30.02,68.79 30.02,52.54 33.02,49.53 v1(33.65,49.53) ; v1(39.34,45.83) 39.34,45.83 40.07,45.09 40.07,33.73 v1(40.91,32.9) ; v1(50.51,29.69) 50.51,30.02 59.18,38.69 59.94,38.69 60.31,38.32 60.31,38.32 60.6,38.03 69.49,38.03 74.53,32.98 74.53,32.4 75.26,31.67 75.61,31.67
IO34: length 79.3
  Top w0.25: v1(49.08,53.8) 49.08,59.2 48.21,60.07 v1(47.81,60.07) ; v1(61.46,38.69) 61.46,39.6 59.6,41.45 54.68,41.45 v1(54.37,41.76) ; v1(46.53,82.97) 46.43,82.97 v1(44.06,85.35)
  Bottom w0.25: v1(61.46,38.69) 69.46,38.69 74.97,33.17 75.61,33.17 ; v1(49.08,53.8) 49.4,53.8 53.92,49.29 53.92,42.22 v1(54.37,41.76) ; v1(47.81,60.07) 47.81,81.7 v1(46.53,82.97) ; 42.11,90.17 42.11,87.3 42.11,87.3 v1(44.06,85.35)
IO35: length 41.2
  Top w0.25: v1(63.18,47.77) 64.85,46.1 64.85,40.7 v1(63.47,39.31) ; v1(63.28,53.95) v1(63.28,58.1)
  Bottom w0.25: v1(63.47,39.31) 69.72,39.31 74.12,34.92 74.12,34.91 74.36,34.67 75.61,34.67 ; R12.1 63.28,60.22 v1(63.28,58.1) ; v1(63.18,47.77) 63.18,53.85 v1(63.28,53.95)
IO36: length 25.6
  Top w0.25: v1(60.83,39.35) 56.56,39.35 v1(55.64,38.43)
  Bottom w0.25: 55.64,38.43 52.39,38.43 ; v1(60.83,39.35) 61.71,40.24 69.84,40.24 73.91,36.17 75.61,36.17
IO37: length 51.7
  Top w0.25: v1(62.35,42.53) 62.17,42.7 43.35,42.7 35.93,50.12 v1(34.23,50.12)
  Bottom w0.25: 75.61,37.67 73.26,37.67 70.24,40.69 64.19,40.69 v1(62.35,42.53) ; R19.1 34.21,54.86 34.21,50.15 v1(34.23,50.12)
IO38: length 72.7
  Top w0.25: EC11N.A 71.03,64.77 v1(71.95,63.86) ; v1(81.27,72.57) 80.69,71.99 72.46,71.99 v1(72.43,72.01)
  Bottom w0.25: U2.32 75.42,39.18 73.1,41.5 R16.1 ; v1(71.95,63.86) 72.46,64.37 72.46,71.99 v1(72.43,72.01) ; v1(81.27,72.57) 81.5,72.34 81.5,40.74 79.93,39.17 75.61,39.17
IO39: length 54.4
  Bottom w0.25: 83.29,75.56 83.29,83.18 86.43,86.31 J1.4 ; 75.61,40.67 80.8,40.67 80.99,40.87 80.99,71.82 80.94,71.82 80.57,72.18 80.57,72.81 83.3,75.54
IO40: length 51
  Bottom w0.25: 80.05,72.44 80.05,72.93 82.77,75.64 82.77,84.35 J1.3 ; 80.05,72.47 80.05,71.69 80.54,71.2 80.54,42.6 80.12,42.17 75.61,42.17
IO41: length 48.1
  Bottom w0.25: J1.2 82.26,86.25 82.26,75.8 79.6,73.14 79.6,71.5 80.09,71.01 80.09,44.35 79.42,43.67 75.61,43.67
IO42: length 46.9
  Bottom w0.25: 75.61,45.17 78.89,45.17 79.64,45.93 79.64,70.82 79.15,71.31 79.15,73.4 81.75,75.99 81.75,84.22 J1.1
RESET: length 70
  Bottom w0.25: 15.66,46.95 15.69,46.92 36.27,46.92 41.68,52.32 41.68,52.72 47.56,58.6 53.1,58.6 54.6,57.1 66.82,57.1 71.25,52.67 75.61,52.67 ; R26.2 31.97,46 32.89,46.92
USB_RX_ESP_TX: length 74
  Bottom w0.25: U3.7 22.05,4.96 21.43,5.58 21.43,6.75 22.01,7.33 23.98,7.33 32.21,15.55 35.41,15.55 60.98,41.13 60.98,42.33 65.32,46.67 75.61,46.67
USB_TX_ESP_RX: length 99.1
  Bottom w0.25: U3.6 22.05,3.69 20.98,4.76 20.98,6.94 21.82,7.78 23.8,7.78 32.02,16 35.22,16 45.89,26.67 45.89,52.84 47.47,54.42 49.42,54.42 51.78,52.06 61.02,52.06 61.82,51.27 61.82,48.26 62.92,47.15 73.58,47.15 74.61,48.17 75.61,48.17
Net-(BT1-Pad1): length 102.6
  Top w0.25: v1(29.91,16.6) 31.85,18.54 42.21,18.54 v1(42.31,18.44)
  Bottom w0.25: v1(42.31,18.44) 46.87,23 101.87,23 101.87,16.77 101.07,15.97 100.28,15.97 ; 11.23,15.2 11.23,16.05 11.78,16.6 v1(29.91,16.6)
Net-(D1-Pad2): length 2.3
  Bottom w0.25: 42.11,92.97 D1.2
Net-(D2-Pad2): length 2.5
  Bottom w0.25: D2.2 33.29,94.81 33.29,92.36
Net-(D3-Pad2): length 2.2
  Bottom w0.25: D3.2 56.51,95.15 56.51,92.94
Net-(D4-Pad1): length 3.5
  Bottom w0.25: R5.1 14.96,7.57 D4.1
Net-(D5-Pad2): length 2.2
  Bottom w0.25: D5.2 48.56,95.2 48.56,92.97
Net-(D6-Pad2): length 3.3
  Bottom w0.25: 98.56,2.59 95.22,2.59
Net-(D7-Pad2): length 2.3
  Bottom w0.25: D7.2 73.14,95.16 73.14,92.92
Net-(D8-Pad2): length 2.2
  Bottom w0.25: 64.86,92.89 64.86,95.09 D8.2
Net-(D9-Pad2): length 3.3
  Bottom w0.25: R10.2 58.48,73.7 D9.2
Net-(D10-Pad2): length 2.3
  Bottom w0.25: 52.27,74.15 52.27,76.31 D10.2
Net-(D11-Pad2): length 3.3
  Bottom w0.25: R12.2 67.83,59.8 69.56,59.8
Net-(D12-Pad2): length 3.7
  Bottom w0.25: D12.2 67.89,52.53 R13.2
Net-(D13-Pad2): length 2.3
  Bottom w0.25: 43.26,46.8 43.27,46.78 R14.2
Net-(D14-Pad2): length 2.4
  Bottom w0.25: 52.39,41.23 52.39,43.31 D14.2 52.42,43.29
Net-(D15-Pad2): length 2.6
  Bottom w0.25: R18.2 39.26,67.39 D15.2
Net-(D16-Pad2): length 2.5
  Bottom w0.25: D16.2 34.96,58.41 R19.2
Net-(D17-Pad2): length 4.1
  Bottom w0.25: D17.2 64.33,71.3 R20.2
Net-(D18-Pad2): length 4
  Bottom w0.25: R22.2 57.4,47.6 D18.2
Net-(D19-Pad2): length 6.8
  Bottom w0.25: R23.2 39.36,55.68 39.36,53.3 D19.2
Net-(D20-Pad2): length 2.8
  Bottom w0.25: R24.2 42.33,73.85 D20.2
Net-(R3-Pad1): length 5.1
  Bottom w0.25: 13.23,22.85 13.13,22.75 13.13,17.8
Net-(R5-Pad2): length 3.2
  Bottom w0.25: U1.1 13.13,12.2 R5.2
Net-(R25-Pad1): length 3.5
  Bottom w0.25: R25.1 85.11,27.45 85.11,30.92
unconnected-(J4-Pad6): length 15.3
  Top w0.25: J4.6 J4.6
  Bottom w0.25: 11.93,5.75 11.93,2.1 ; J4.6 4.33,5.6 4.48,5.75

## Copper pours and planes (outline as drawn; the poured copper is in the pictures)
GND on Top: 106.85,126.72 106.11,-0.61 -3.49,-2.39 -3.11,26.28 -5.6,127.23
GND on Bottom: 109.44,-2.31 -5.11,-3.07 -5.37,127.48 111.47,127.74

## Text on the board
Bottom: 1-7-2
B.Silkscreen: TMS | TDI | TDO | TCK
